# KiCad board 8851_HW-U1-VCU118_REV2-0_071417.kicad_pcb (continued)
## Footprints (pads in the part's own frame, mm; a bottom-side part is the same pattern mirrored in y, then rotated) (continued)
  round 0.001 hole 0: A3(22.146,20.177) A4(22.146,19.193) A5(22.146,18.209) A6(22.146,17.224) A7(22.146,16.24) A8(22.146,15.256) A9(22.146,14.272) A10(22.146,13.287) A11(22.146,12.303) A12(22.146,11.319) A13(22.146,10.335) A14(22.146,9.35) A15(22.146,8.366) A16(22.146,7.382) A17(22.146,6.398) A18(22.146,5.413) A19(22.146,4.429) A20(22.146,3.445) A21(22.146,2.461) A22(22.146,1.476) A23(22.146,0.492) A24(22.146,-0.492) A25(22.146,-1.476) A26(22.146,-2.461) A27(22.146,-3.445) A28(22.146,-4.429) A29(22.146,-5.413) A30(22.146,-6.398) A31(22.146,-7.382) A32(22.146,-8.366) A33(22.146,-9.35) A34(22.146,-10.335) A35(22.146,-11.319) A36(22.146,-12.303) A37(22.146,-13.287) A38(22.146,-14.272) A39(22.146,-15.256) A40(22.146,-16.24) A41(22.146,-17.224) A42(22.146,-18.209) A43(22.146,-19.193) A44(22.146,-20.177) AA1(2.461,22.146) AA2(2.461,21.161) AA3(2.461,20.177) AA4(2.461,19.193) AA5(2.461,18.209) AA6(2.461,17.224) AA7(2.461,16.24) AA8(2.461,15.256) AA9(2.461,14.272) AA10(2.461,13.287) AA11(2.461,12.303) AA12(2.461,11.319) AA13(2.461,10.335) AA14(2.461,9.35) AA15(2.461,8.366) AA16(2.461,7.382) AA17(2.461,6.398) AA18(2.461,5.413) AA19(2.461,4.429) AA20(2.461,3.445) AA21(2.461,2.461) AA22(2.461,1.476) AA23(2.461,0.492) AA24(2.461,-0.492) AA25(2.461,-1.476) AA26(2.461,-2.461) AA27(2.461,-3.445) AA28(2.461,-4.429) AA29(2.461,-5.413) AA30(2.461,-6.398) AA31(2.461,-7.382) AA32(2.461,-8.366) AA33(2.461,-9.35) AA34(2.461,-10.335) AA35(2.461,-11.319) AA36(2.461,-12.303) AA37(2.461,-13.287) AA38(2.461,-14.272) AA39(2.461,-15.256) AA40(2.461,-16.24) AA41(2.461,-17.224) AA42(2.461,-18.209) AA43(2.461,-19.193) AA44(2.461,-20.177) AA45(2.461,-21.161) AA46(2.461,-22.146) AB1(1.476,22.146) AB2(1.476,21.161) AB3(1.476,20.177) AB4(1.476,19.193) AB5(1.476,18.209) AB6(1.476,17.224) AB7(1.476,16.24) AB8(1.476,15.256) AB9(1.476,14.272) AB10(1.476,13.287) AB11(1.476,12.303) AB12(1.476,11.319) AB13(1.476,10.335) AB14(1.476,9.35) AB15(1.476,8.366) AB16(1.476,7.382) AB17(1.476,6.398) AB18(1.476,5.413) AB19(1.476,4.429) AB20(1.476,3.445) AB21(1.476,2.461) AB22(1.476,1.476) AB23(1.476,0.492) AB24(1.476,-0.492) AB25(1.476,-1.476) AB26(1.476,-2.461) AB27(1.476,-3.445) AB28(1.476,-4.429) AB29(1.476,-5.413) AB30(1.476,-6.398) AB31(1.476,-7.382) AB32(1.476,-8.366) AB33(1.476,-9.35) AB34(1.476,-10.335) AB35(1.476,-11.319) AB36(1.476,-12.303) AB37(1.476,-13.287) AB38(1.476,-14.272) AB39(1.476,-15.256) AB40(1.476,-16.24) AB41(1.476,-17.224) AB42(1.476,-18.209) AB43(1.476,-19.193) AB44(1.476,-20.177) AB45(1.476,-21.161) AB46(1.476,-22.146) AC1(0.492,22.146) AC2(0.492,21.161) AC3(0.492,20.177) AC4(0.492,19.193) AC5(0.492,18.209) AC6(0.492,17.224) AC7(0.492,16.24) AC8(0.492,15.256) AC9(0.492,14.272) AC10(0.492,13.287) AC11(0.492,12.303) AC12(0.492,11.319) AC13(0.492,10.335) AC14(0.492,9.35) AC15(0.492,8.366) AC16(0.492,7.382) AC17(0.492,6.398) AC18(0.492,5.413) AC19(0.492,4.429) AC20(0.492,3.445) AC21(0.492,2.461) AC22(0.492,1.476) AC23(0.492,0.492) AC24(0.492,-0.492) AC25(0.492,-1.476) AC26(0.492,-2.461) AC27(0.492,-3.445) AC28(0.492,-4.429) AC29(0.492,-5.413) AC30(0.492,-6.398) AC31(0.492,-7.382) AC32(0.492,-8.366) AC33(0.492,-9.35) AC34(0.492,-10.335) AC35(0.492,-11.319) AC36(0.492,-12.303) AC37(0.492,-13.287) AC38(0.492,-14.272) AC39(0.492,-15.256) AC40(0.492,-16.24) AC41(0.492,-17.224) AC42(0.492,-18.209) AC43(0.492,-19.193) AC44(0.492,-20.177) AC45(0.492,-21.161) AC46(0.492,-22.146) AD1(-0.492,22.146) AD2(-0.492,21.161) AD3(-0.492,20.177) AD4(-0.492,19.193) AD5(-0.492,18.209) AD6(-0.492,17.224) AD7(-0.492,16.24) AD8(-0.492,15.256) AD9(-0.492,14.272) AD10(-0.492,13.287) AD11(-0.492,12.303) AD12(-0.492,11.319) AD13(-0.492,10.335) AD14(-0.492,9.35) AD15(-0.492,8.366) AD16(-0.492,7.382) AD17(-0.492,6.398) AD18(-0.492,5.413) AD19(-0.492,4.429) AD20(-0.492,3.445) AD21(-0.492,2.461) AD22(-0.492,1.476) AD23(-0.492,0.492) AD24(-0.492,-0.492) AD25(-0.492,-1.476) AD26(-0.492,-2.461) AD27(-0.492,-3.445) AD28(-0.492,-4.429) AD29(-0.492,-5.413) AD30(-0.492,-6.398) AD31(-0.492,-7.382) AD32(-0.492,-8.366) AD33(-0.492,-9.35) AD34(-0.492,-10.335) AD35(-0.492,-11.319) AD36(-0.492,-12.303) AD37(-0.492,-13.287) AD38(-0.492,-14.272) AD39(-0.492,-15.256) AD40(-0.492,-16.24) AD41(-0.492,-17.224) AD42(-0.492,-18.209) AD43(-0.492,-19.193) AD44(-0.492,-20.177) AD45(-0.492,-21.161) AD46(-0.492,-22.146) AE1(-1.476,22.146) AE2(-1.476,21.161) AE3(-1.476,20.177) AE4(-1.476,19.193) AE5(-1.476,18.209) AE6(-1.476,17.224) AE7(-1.476,16.24) AE8(-1.476,15.256) AE9(-1.476,14.272) AE10(-1.476,13.287) AE11(-1.476,12.303) AE12(-1.476,11.319) AE13(-1.476,10.335) AE14(-1.476,9.35) AE15(-1.476,8.366) AE16(-1.476,7.382) AE17(-1.476,6.398) AE18(-1.476,5.413) AE19(-1.476,4.429) AE20(-1.476,3.445) AE21(-1.476,2.461) AE22(-1.476,1.476) AE23(-1.476,0.492) AE24(-1.476,-0.492) AE25(-1.476,-1.476) AE26(-1.476,-2.461) AE27(-1.476,-3.445) AE28(-1.476,-4.429) AE29(-1.476,-5.413) AE30(-1.476,-6.398) AE31(-1.476,-7.382) AE32(-1.476,-8.366) AE33(-1.476,-9.35) AE34(-1.476,-10.335) AE35(-1.476,-11.319) AE36(-1.476,-12.303) AE37(-1.476,-13.287) AE38(-1.476,-14.272) AE39(-1.476,-15.256) AE40(-1.476,-16.24) AE41(-1.476,-17.224) AE42(-1.476,-18.209) AE43(-1.476,-19.193) AE44(-1.476,-20.177) AE45(-1.476,-21.161) AE46(-1.476,-22.146) AF1(-2.461,22.146) AF2(-2.461,21.161) AF3(-2.461,20.177) AF4(-2.461,19.193) AF5(-2.461,18.209) AF6(-2.461,17.224) AF7(-2.461,16.24) AF8(-2.461,15.256) AF9(-2.461,14.272) AF10(-2.461,13.287) AF11(-2.461,12.303) AF12(-2.461,11.319) AF13(-2.461,10.335) AF14(-2.461,9.35) AF15(-2.461,8.366) AF16(-2.461,7.382) AF17(-2.461,6.398) AF18(-2.461,5.413) AF19(-2.461,4.429) AF20(-2.461,3.445) AF21(-2.461,2.461) AF22(-2.461,1.476) AF23(-2.461,0.492) AF24(-2.461,-0.492) AF25(-2.461,-1.476) AF26(-2.461,-2.461) AF27(-2.461,-3.445) AF28(-2.461,-4.429) AF29(-2.461,-5.413) AF30(-2.461,-6.398) AF31(-2.461,-7.382) AF32(-2.461,-8.366) AF33(-2.461,-9.35) AF34(-2.461,-10.335) AF35(-2.461,-11.319) AF36(-2.461,-12.303) AF37(-2.461,-13.287) AF38(-2.461,-14.272) AF39(-2.461,-15.256) AF40(-2.461,-16.24) AF41(-2.461,-17.224) AF42(-2.461,-18.209) AF43(-2.461,-19.193) AF44(-2.461,-20.177) AF45(-2.461,-21.161) AF46(-2.461,-22.146) AG1(-3.445,22.146) AG2(-3.445,21.161) AG3(-3.445,20.177) AG4(-3.445,19.193) AG5(-3.445,18.209) AG6(-3.445,17.224) AG7(-3.445,16.24) AG8(-3.445,15.256) AG9(-3.445,14.272) AG10(-3.445,13.287) AG11(-3.445,12.303) AG12(-3.445,11.319) AG13(-3.445,10.335) AG14(-3.445,9.35) AG15(-3.445,8.366) AG16(-3.445,7.382) AG17(-3.445,6.398) AG18(-3.445,5.413) AG19(-3.445,4.429) AG20(-3.445,3.445) AG21(-3.445,2.461) AG22(-3.445,1.476) AG23(-3.445,0.492) AG24(-3.445,-0.492) AG25(-3.445,-1.476) AG26(-3.445,-2.461) AG27(-3.445,-3.445) AG28(-3.445,-4.429) AG29(-3.445,-5.413) AG30(-3.445,-6.398) AG31(-3.445,-7.382) AG32(-3.445,-8.366) AG33(-3.445,-9.35) AG34(-3.445,-10.335) AG35(-3.445,-11.319) AG36(-3.445,-12.303) AG37(-3.445,-13.287) AG38(-3.445,-14.272) AG39(-3.445,-15.256) AG40(-3.445,-16.24) AG41(-3.445,-17.224) AG42(-3.445,-18.209) AG43(-3.445,-19.193) AG44(-3.445,-20.177) AG45(-3.445,-21.161) AG46(-3.445,-22.146) AH1(-4.429,22.146) AH2(-4.429,21.161) AH3(-4.429,20.177) AH4(-4.429,19.193) AH5(-4.429,18.209) AH6(-4.429,17.224) AH7(-4.429,16.24) AH8(-4.429,15.256) AH9(-4.429,14.272) AH10(-4.429,13.287) AH11(-4.429,12.303) AH12(-4.429,11.319) AH13(-4.429,10.335) AH14(-4.429,9.35) AH15(-4.429,8.366) AH16(-4.429,7.382) AH17(-4.429,6.398) AH18(-4.429,5.413) AH19(-4.429,4.429) AH20(-4.429,3.445) AH21(-4.429,2.461) AH22(-4.429,1.476) AH23(-4.429,0.492) AH24(-4.429,-0.492) AH25(-4.429,-1.476) AH26(-4.429,-2.461) AH27(-4.429,-3.445) AH28(-4.429,-4.429) AH29(-4.429,-5.413) AH30(-4.429,-6.398) AH31(-4.429,-7.382) AH32(-4.429,-8.366) AH33(-4.429,-9.35) AH34(-4.429,-10.335) AH35(-4.429,-11.319) AH36(-4.429,-12.303) AH37(-4.429,-13.287) AH38(-4.429,-14.272) AH39(-4.429,-15.256) AH40(-4.429,-16.24) AH41(-4.429,-17.224) AH42(-4.429,-18.209) AH43(-4.429,-19.193) AH44(-4.429,-20.177) AH45(-4.429,-21.161) AH46(-4.429,-22.146) AJ1(-5.413,22.146) AJ2(-5.413,21.161) AJ3(-5.413,20.177) AJ4(-5.413,19.193) AJ5(-5.413,18.209) AJ6(-5.413,17.224) AJ7(-5.413,16.24) AJ8(-5.413,15.256) AJ9(-5.413,14.272) AJ10(-5.413,13.287) AJ11(-5.413,12.303) AJ12(-5.413,11.319) AJ13(-5.413,10.335) AJ14(-5.413,9.35) AJ15(-5.413,8.366) AJ16(-5.413,7.382) AJ17(-5.413,6.398) AJ18(-5.413,5.413) AJ19(-5.413,4.429) AJ20(-5.413,3.445) AJ21(-5.413,2.461) AJ22(-5.413,1.476) AJ23(-5.413,0.492) AJ24(-5.413,-0.492) AJ25(-5.413,-1.476) AJ26(-5.413,-2.461) AJ27(-5.413,-3.445) AJ28(-5.413,-4.429) AJ29(-5.413,-5.413) AJ30(-5.413,-6.398) AJ31(-5.413,-7.382) AJ32(-5.413,-8.366) AJ33(-5.413,-9.35) AJ34(-5.413,-10.335) AJ35(-5.413,-11.319) AJ36(-5.413,-12.303) AJ37(-5.413,-13.287) AJ38(-5.413,-14.272) AJ39(-5.413,-15.256) AJ40(-5.413,-16.24) AJ41(-5.413,-17.224) AJ42(-5.413,-18.209) AJ43(-5.413,-19.193) AJ44(-5.413,-20.177) AJ45(-5.413,-21.161) AJ46(-5.413,-22.146) AK1(-6.398,22.146) AK2(-6.398,21.161) AK3(-6.398,20.177) AK4(-6.398,19.193) AK5(-6.398,18.209) AK6(-6.398,17.224) AK7(-6.398,16.24) AK8(-6.398,15.256) AK9(-6.398,14.272) AK10(-6.398,13.287) AK11(-6.398,12.303) AK12(-6.398,11.319) AK13(-6.398,10.335) AK14(-6.398,9.35) AK15(-6.398,8.366) AK16(-6.398,7.382) AK17(-6.398,6.398) AK18(-6.398,5.413) AK19(-6.398,4.429) AK20(-6.398,3.445) AK21(-6.398,2.461) AK22(-6.398,1.476) AK23(-6.398,0.492) AK24(-6.398,-0.492) AK25(-6.398,-1.476) AK26(-6.398,-2.461) AK27(-6.398,-3.445) AK28(-6.398,-4.429) AK29(-6.398,-5.413) AK30(-6.398,-6.398) AK31(-6.398,-7.382) AK32(-6.398,-8.366) AK33(-6.398,-9.35) AK34(-6.398,-10.335) AK35(-6.398,-11.319) AK36(-6.398,-12.303) AK37(-6.398,-13.287) AK38(-6.398,-14.272) AK39(-6.398,-15.256) AK40(-6.398,-16.24) AK41(-6.398,-17.224) AK42(-6.398,-18.209) AK43(-6.398,-19.193) AK44(-6.398,-20.177) AK45(-6.398,-21.161) AK46(-6.398,-22.146) AL1(-7.382,22.146) AL2(-7.382,21.161) AL3(-7.382,20.177) AL4(-7.382,19.193) AL5(-7.382,18.209) AL6(-7.382,17.224) AL7(-7.382,16.24) AL8(-7.382,15.256) AL9(-7.382,14.272) AL10(-7.382,13.287) AL11(-7.382,12.303) AL12(-7.382,11.319) AL13(-7.382,10.335) AL14(-7.382,9.35) AL15(-7.382,8.366) AL16(-7.382,7.382) AL17(-7.382,6.398) AL18(-7.382,5.413) AL19(-7.382,4.429) AL20(-7.382,3.445) AL21(-7.382,2.461) AL22(-7.382,1.476) AL23(-7.382,0.492) AL24(-7.382,-0.492) AL25(-7.382,-1.476) AL26(-7.382,-2.461) AL27(-7.382,-3.445) AL28(-7.382,-4.429) AL29(-7.382,-5.413) AL30(-7.382,-6.398) AL31(-7.382,-7.382) AL32(-7.382,-8.366) AL33(-7.382,-9.35) AL34(-7.382,-10.335) AL35(-7.382,-11.319) AL36(-7.382,-12.303) AL37(-7.382,-13.287) AL38(-7.382,-14.272) AL39(-7.382,-15.256) AL40(-7.382,-16.24) AL41(-7.382,-17.224) AL42(-7.382,-18.209) AL43(-7.382,-19.193) AL44(-7.382,-20.177) AL45(-7.382,-21.161) AL46(-7.382,-22.146) AM1(-8.366,22.146) AM2(-8.366,21.161) AM3(-8.366,20.177) AM4(-8.366,19.193) AM5(-8.366,18.209) AM6(-8.366,17.224) AM7(-8.366,16.24) AM8(-8.366,15.256) AM9(-8.366,14.272) AM10(-8.366,13.287) AM11(-8.366,12.303) AM12(-8.366,11.319) AM13(-8.366,10.335) AM14(-8.366,9.35) AM15(-8.366,8.366) AM16(-8.366,7.382) AM17(-8.366,6.398) AM18(-8.366,5.413) AM19(-8.366,4.429) AM20(-8.366,3.445) AM21(-8.366,2.461) AM22(-8.366,1.476) AM23(-8.366,0.492) AM24(-8.366,-0.492) AM25(-8.366,-1.476) AM26(-8.366,-2.461) AM27(-8.366,-3.445) AM28(-8.366,-4.429) AM29(-8.366,-5.413) AM30(-8.366,-6.398) AM31(-8.366,-7.382) AM32(-8.366,-8.366) AM33(-8.366,-9.35) AM34(-8.366,-10.335) AM35(-8.366,-11.319) AM36(-8.366,-12.303) AM37(-8.366,-13.287) AM38(-8.366,-14.272) AM39(-8.366,-15.256) AM40(-8.366,-16.24) AM41(-8.366,-17.224) AM42(-8.366,-18.209) AM43(-8.366,-19.193) AM44(-8.366,-20.177) AM45(-8.366,-21.161) AM46(-8.366,-22.146) AN1(-9.35,22.146) AN2(-9.35,21.161) AN3(-9.35,20.177) AN4(-9.35,19.193) AN5(-9.35,18.209) AN6(-9.35,17.224) AN7(-9.35,16.24) AN8(-9.35,15.256) AN9(-9.35,14.272) AN10(-9.35,13.287) AN11(-9.35,12.303) AN12(-9.35,11.319) AN13(-9.35,10.335) AN14(-9.35,9.35) AN15(-9.35,8.366) AN16(-9.35,7.382) AN17(-9.35,6.398) AN18(-9.35,5.413) AN19(-9.35,4.429) AN20(-9.35,3.445) AN21(-9.35,2.461) AN22(-9.35,1.476) AN23(-9.35,0.492) AN24(-9.35,-0.492) AN25(-9.35,-1.476) AN26(-9.35,-2.461) AN27(-9.35,-3.445) AN28(-9.35,-4.429) AN29(-9.35,-5.413) AN30(-9.35,-6.398) AN31(-9.35,-7.382) AN32(-9.35,-8.366) AN33(-9.35,-9.35) AN34(-9.35,-10.335) AN35(-9.35,-11.319) AN36(-9.35,-12.303) AN37(-9.35,-13.287) AN38(-9.35,-14.272) AN39(-9.35,-15.256) AN40(-9.35,-16.24) AN41(-9.35,-17.224) AN42(-9.35,-18.209) AN43(-9.35,-19.193) AN44(-9.35,-20.177) AN45(-9.35,-21.161) AN46(-9.35,-22.146) AP1(-10.335,22.146) AP2(-10.335,21.161) AP3(-10.335,20.177) AP4(-10.335,19.193) AP5(-10.335,18.209) AP6(-10.335,17.224) AP7(-10.335,16.24) AP8(-10.335,15.256) AP9(-10.335,14.272) AP10(-10.335,13.287) AP11(-10.335,12.303) AP12(-10.335,11.319) AP13(-10.335,10.335) AP14(-10.335,9.35) AP15(-10.335,8.366) AP16(-10.335,7.382) AP17(-10.335,6.398) AP18(-10.335,5.413) AP19(-10.335,4.429) AP20(-10.335,3.445) AP21(-10.335,2.461) AP22(-10.335,1.476) AP23(-10.335,0.492) AP24(-10.335,-0.492) AP25(-10.335,-1.476) AP26(-10.335,-2.461) AP27(-10.335,-3.445) AP28(-10.335,-4.429) AP29(-10.335,-5.413) AP30(-10.335,-6.398) AP31(-10.335,-7.382) AP32(-10.335,-8.366) AP33(-10.335,-9.35) AP34(-10.335,-10.335) AP35(-10.335,-11.319) AP36(-10.335,-12.303) AP37(-10.335,-13.287) AP38(-10.335,-14.272) AP39(-10.335,-15.256) AP40(-10.335,-16.24) AP41(-10.335,-17.224) AP42(-10.335,-18.209) AP43(-10.335,-19.193) AP44(-10.335,-20.177) AP45(-10.335,-21.161) AP46(-10.335,-22.146) AR1(-11.319,22.146) AR2(-11.319,21.161) AR3(-11.319,20.177) AR4(-11.319,19.193) AR5(-11.319,18.209) AR6(-11.319,17.224) AR7(-11.319,16.24) AR8(-11.319,15.256) AR9(-11.319,14.272) AR10(-11.319,13.287) AR11(-11.319,12.303) AR12(-11.319,11.319) AR13(-11.319,10.335) AR14(-11.319,9.35) AR15(-11.319,8.366) AR16(-11.319,7.382) AR17(-11.319,6.398) AR18(-11.319,5.413) AR19(-11.319,4.429) AR20(-11.319,3.445) AR21(-11.319,2.461) AR22(-11.319,1.476) AR23(-11.319,0.492) AR24(-11.319,-0.492) AR25(-11.319,-1.476) AR26(-11.319,-2.461) AR27(-11.319,-3.445) AR28(-11.319,-4.429) AR29(-11.319,-5.413) AR30(-11.319,-6.398) AR31(-11.319,-7.382) AR32(-11.319,-8.366) AR33(-11.319,-9.35) AR34(-11.319,-10.335) AR35(-11.319,-11.319) AR36(-11.319,-12.303) AR37(-11.319,-13.287) AR38(-11.319,-14.272) AR39(-11.319,-15.256) AR40(-11.319,-16.24) AR41(-11.319,-17.224) AR42(-11.319,-18.209) AR43(-11.319,-19.193) AR44(-11.319,-20.177) AR45(-11.319,-21.161) AR46(-11.319,-22.146) AT1(-12.303,22.146) AT2(-12.303,21.161) AT3(-12.303,20.177) AT4(-12.303,19.193) AT5(-12.303,18.209) AT6(-12.303,17.224) AT7(-12.303,16.24) AT8(-12.303,15.256) AT9(-12.303,14.272) AT10(-12.303,13.287) AT11(-12.303,12.303) AT12(-12.303,11.319) AT13(-12.303,10.335) AT14(-12.303,9.35) AT15(-12.303,8.366) AT16(-12.303,7.382) AT17(-12.303,6.398) AT18(-12.303,5.413) AT19(-12.303,4.429) AT20(-12.303,3.445) AT21(-12.303,2.461) AT22(-12.303,1.476) AT23(-12.303,0.492) AT24(-12.303,-0.492) AT25(-12.303,-1.476) AT26(-12.303,-2.461) AT27(-12.303,-3.445) AT28(-12.303,-4.429) AT29(-12.303,-5.413) AT30(-12.303,-6.398) AT31(-12.303,-7.382) AT32(-12.303,-8.366) AT33(-12.303,-9.35) AT34(-12.303,-10.335) AT35(-12.303,-11.319) AT36(-12.303,-12.303) AT37(-12.303,-13.287) AT38(-12.303,-14.272) AT39(-12.303,-15.256) AT40(-12.303,-16.24) AT41(-12.303,-17.224) AT42(-12.303,-18.209) AT43(-12.303,-19.193) AT44(-12.303,-20.177) AT45(-12.303,-21.161) AT46(-12.303,-22.146) AU1(-13.287,22.146) AU2(-13.287,21.161) AU3(-13.287,20.177) AU4(-13.287,19.193) AU5(-13.287,18.209) AU6(-13.287,17.224) AU7(-13.287,16.24) AU8(-13.287,15.256) AU9(-13.287,14.272) AU10(-13.287,13.287) AU11(-13.287,12.303) AU12(-13.287,11.319) AU13(-13.287,10.335) AU14(-13.287,9.35) AU15(-13.287,8.366) AU16(-13.287,7.382) AU17(-13.287,6.398) AU18(-13.287,5.413) AU19(-13.287,4.429) AU20(-13.287,3.445) AU21(-13.287,2.461) AU22(-13.287,1.476) AU23(-13.287,0.492) AU24(-13.287,-0.492) AU25(-13.287,-1.476) AU26(-13.287,-2.461) AU27(-13.287,-3.445) AU28(-13.287,-4.429) AU29(-13.287,-5.413) AU30(-13.287,-6.398) AU31(-13.287,-7.382) AU32(-13.287,-8.366) AU33(-13.287,-9.35) AU34(-13.287,-10.335) AU35(-13.287,-11.319) AU36(-13.287,-12.303) AU37(-13.287,-13.287) AU38(-13.287,-14.272) AU39(-13.287,-15.256) AU40(-13.287,-16.24) AU41(-13.287,-17.224) AU42(-13.287,-18.209) AU43(-13.287,-19.193) AU44(-13.287,-20.177) AU45(-13.287,-21.161) AU46(-13.287,-22.146) AV1(-14.272,22.146) AV2(-14.272,21.161) AV3(-14.272,20.177) AV4(-14.272,19.193) AV5(-14.272,18.209) AV6(-14.272,17.224) AV7(-14.272,16.24) AV8(-14.272,15.256) AV9(-14.272,14.272) AV10(-14.272,13.287) AV11(-14.272,12.303) AV12(-14.272,11.319) AV13(-14.272,10.335) AV14(-14.272,9.35) AV15(-14.272,8.366) AV16(-14.272,7.382) AV17(-14.272,6.398) AV18(-14.272,5.413) AV19(-14.272,4.429) AV20(-14.272,3.445) AV21(-14.272,2.461) AV22(-14.272,1.476) AV23(-14.272,0.492) AV24(-14.272,-0.492) AV25(-14.272,-1.476) AV26(-14.272,-2.461) AV27(-14.272,-3.445) AV28(-14.272,-4.429) AV29(-14.272,-5.413) AV30(-14.272,-6.398) AV31(-14.272,-7.382) AV32(-14.272,-8.366) AV33(-14.272,-9.35) AV34(-14.272,-10.335) AV35(-14.272,-11.319) AV36(-14.272,-12.303) AV37(-14.272,-13.287) AV38(-14.272,-14.272) AV39(-14.272,-15.256) AV40(-14.272,-16.24) AV41(-14.272,-17.224) AV42(-14.272,-18.209) AV43(-14.272,-19.193) AV44(-14.272,-20.177) AV45(-14.272,-21.161) AV46(-14.272,-22.146) AW1(-15.256,22.146) AW2(-15.256,21.161) AW3(-15.256,20.177) AW4(-15.256,19.193) AW5(-15.256,18.209) AW6(-15.256,17.224) AW7(-15.256,16.24) AW8(-15.256,15.256) AW9(-15.256,14.272) AW10(-15.256,13.287) AW11(-15.256,12.303) AW12(-15.256,11.319) AW13(-15.256,10.335) AW14(-15.256,9.35) AW15(-15.256,8.366) AW16(-15.256,7.382) AW17(-15.256,6.398) AW18(-15.256,5.413) AW19(-15.256,4.429) AW20(-15.256,3.445) AW21(-15.256,2.461) AW22(-15.256,1.476) AW23(-15.256,0.492) AW24(-15.256,-0.492) AW25(-15.256,-1.476) AW26(-15.256,-2.461) AW27(-15.256,-3.445) AW28(-15.256,-4.429) AW29(-15.256,-5.413) AW30(-15.256,-6.398) AW31(-15.256,-7.382) AW32(-15.256,-8.366) AW33(-15.256,-9.35) AW34(-15.256,-10.335) AW35(-15.256,-11.319) AW36(-15.256,-12.303) AW37(-15.256,-13.287) AW38(-15.256,-14.272) AW39(-15.256,-15.256) AW40(-15.256,-16.24) AW41(-15.256,-17.224) AW42(-15.256,-18.209) AW43(-15.256,-19.193) AW44(-15.256,-20.177) AW45(-15.256,-21.161) AW46(-15.256,-22.146) AY1(-16.24,22.146) AY2(-16.24,21.161) AY3(-16.24,20.177) AY4(-16.24,19.193) AY5(-16.24,18.209) AY6(-16.24,17.224) AY7(-16.24,16.24) AY8(-16.24,15.256) AY9(-16.24,14.272) AY10(-16.24,13.287) AY11(-16.24,12.303) AY12(-16.24,11.319) AY13(-16.24,10.335) AY14(-16.24,9.35) AY15(-16.24,8.366) AY16(-16.24,7.382) AY17(-16.24,6.398) AY18(-16.24,5.413) AY19(-16.24,4.429) AY20(-16.24,3.445) AY21(-16.24,2.461) AY22(-16.24,1.476) AY23(-16.24,0.492) AY24(-16.24,-0.492) AY25(-16.24,-1.476) AY26(-16.24,-2.461) AY27(-16.24,-3.445) AY28(-16.24,-4.429) AY29(-16.24,-5.413) AY30(-16.24,-6.398) AY31(-16.24,-7.382) AY32(-16.24,-8.366) AY33(-16.24,-9.35) AY34(-16.24,-10.335) AY35(-16.24,-11.319) AY36(-16.24,-12.303) AY37(-16.24,-13.287) AY38(-16.24,-14.272) AY39(-16.24,-15.256) AY40(-16.24,-16.24) AY41(-16.24,-17.224) AY42(-16.24,-18.209) AY43(-16.24,-19.193) AY44(-16.24,-20.177) AY45(-16.24,-21.161) AY46(-16.24,-22.146) B2(21.161,21.161) B3(21.161,20.177) B4(21.161,19.193) B5(21.161,18.209) B6(21.161,17.224) B7(21.161,16.24) B8(21.161,15.256) B9(21.161,14.272) B10(21.161,13.287) B11(21.161,12.303) B12(21.161,11.319) B13(21.161,10.335) B14(21.161,9.35) B15(21.161,8.366) B16(21.161,7.382) B17(21.161,6.398) B18(21.161,5.413) B19(21.161,4.429) B20(21.161,3.445) B21(21.161,2.461) B22(21.161,1.476) B23(21.161,0.492) B24(21.161,-0.492) B25(21.161,-1.476) B26(21.161,-2.461) B27(21.161,-3.445) B28(21.161,-4.429) B29(21.161,-5.413) B30(21.161,-6.398) B31(21.161,-7.382) B32(21.161,-8.366) B33(21.161,-9.35) B34(21.161,-10.335) B35(21.161,-11.319) B36(21.161,-12.303) B37(21.161,-13.287) B38(21.161,-14.272) B39(21.161,-15.256) B40(21.161,-16.24) B41(21.161,-17.224) B42(21.161,-18.209) B43(21.161,-19.193) B44(21.161,-20.177) B45(21.161,-21.161) BA1(-17.224,22.146) BA2(-17.224,21.161) BA3(-17.224,20.177) BA4(-17.224,19.193) BA5(-17.224,18.209) BA6(-17.224,17.224) BA7(-17.224,16.24) BA8(-17.224,15.256) BA9(-17.224,14.272) BA10(-17.224,13.287) BA11(-17.224,12.303) BA12(-17.224,11.319) BA13(-17.224,10.335) BA14(-17.224,9.35) BA15(-17.224,8.366) BA16(-17.224,7.382) BA17(-17.224,6.398) BA18(-17.224,5.413) BA19(-17.224,4.429) BA20(-17.224,3.445) BA21(-17.224,2.461) BA22(-17.224,1.476) BA23(-17.224,0.492) BA24(-17.224,-0.492) BA25(-17.224,-1.476) BA26(-17.224,-2.461) BA27(-17.224,-3.445) BA28(-17.224,-4.429) BA29(-17.224,-5.413) BA30(-17.224,-6.398) BA31(-17.224,-7.382) BA32(-17.224,-8.366) BA33(-17.224,-9.35) BA34(-17.224,-10.335) BA35(-17.224,-11.319) BA36(-17.224,-12.303) BA37(-17.224,-13.287) BA38(-17.224,-14.272) BA39(-17.224,-15.256) BA40(-17.224,-16.24) BA41(-17.224,-17.224) BA42(-17.224,-18.209) BA43(-17.224,-19.193) BA44(-17.224,-20.177) BA45(-17.224,-21.161) BA46(-17.224,-22.146) BB1(-18.209,22.146) BB2(-18.209,21.161) BB3(-18.209,20.177) BB4(-18.209,19.193) BB5(-18.209,18.209) BB6(-18.209,17.224) BB7(-18.209,16.24) BB8(-18.209,15.256) BB9(-18.209,14.272) BB10(-18.209,13.287) BB11(-18.209,12.303) BB12(-18.209,11.319) BB13(-18.209,10.335) BB14(-18.209,9.35) BB15(-18.209,8.366) BB16(-18.209,7.382) BB17(-18.209,6.398) BB18(-18.209,5.413) BB19(-18.209,4.429) BB20(-18.209,3.445) BB21(-18.209,2.461) BB22(-18.209,1.476) BB23(-18.209,0.492) BB24(-18.209,-0.492) BB25(-18.209,-1.476) BB26(-18.209,-2.461) BB27(-18.209,-3.445) BB28(-18.209,-4.429) BB29(-18.209,-5.413) BB30(-18.209,-6.398) BB31(-18.209,-7.382) BB32(-18.209,-8.366) BB33(-18.209,-9.35) BB34(-18.209,-10.335) BB35(-18.209,-11.319) BB36(-18.209,-12.303) BB37(-18.209,-13.287) BB38(-18.209,-14.272) BB39(-18.209,-15.256) BB40(-18.209,-16.24) BB41(-18.209,-17.224) BB42(-18.209,-18.209) BB43(-18.209,-19.193) BB44(-18.209,-20.177) BB45(-18.209,-21.161) BB46(-18.209,-22.146) BC1(-19.193,22.146) BC2(-19.193,21.161) BC3(-19.193,20.177) BC4(-19.193,19.193) BC5(-19.193,18.209) BC6(-19.193,17.224) BC7(-19.193,16.24) BC8(-19.193,15.256) BC9(-19.193,14.272) BC10(-19.193,13.287) BC11(-19.193,12.303) BC12(-19.193,11.319) BC13(-19.193,10.335) BC14(-19.193,9.35) BC15(-19.193,8.366) BC16(-19.193,7.382) BC17(-19.193,6.398) BC18(-19.193,5.413) BC19(-19.193,4.429) BC20(-19.193,3.445) BC21(-19.193,2.461) BC22(-19.193,1.476) BC23(-19.193,0.492) BC24(-19.193,-0.492) BC25(-19.193,-1.476) BC26(-19.193,-2.461) BC27(-19.193,-3.445) BC28(-19.193,-4.429) BC29(-19.193,-5.413) BC30(-19.193,-6.398) BC31(-19.193,-7.382) BC32(-19.193,-8.366) BC33(-19.193,-9.35) BC34(-19.193,-10.335) BC35(-19.193,-11.319) BC36(-19.193,-12.303) BC37(-19.193,-13.287) BC38(-19.193,-14.272) BC39(-19.193,-15.256) BC40(-19.193,-16.24) BC41(-19.193,-17.224) BC42(-19.193,-18.209) BC43(-19.193,-19.193) BC44(-19.193,-20.177) BC45(-19.193,-21.161) BC46(-19.193,-22.146) BD1(-20.177,22.146) BD2(-20.177,21.161) BD3(-20.177,20.177) BD4(-20.177,19.193) BD5(-20.177,18.209) BD6(-20.177,17.224) BD7(-20.177,16.24) BD8(-20.177,15.256) BD9(-20.177,14.272) BD10(-20.177,13.287) BD11(-20.177,12.303) BD12(-20.177,11.319) BD13(-20.177,10.335) BD14(-20.177,9.35) BD15(-20.177,8.366) BD16(-20.177,7.382) BD17(-20.177,6.398) BD18(-20.177,5.413) BD19(-20.177,4.429) BD20(-20.177,3.445) BD21(-20.177,2.461) BD22(-20.177,1.476) BD23(-20.177,0.492) BD24(-20.177,-0.492) BD25(-20.177,-1.476) BD26(-20.177,-2.461) BD27(-20.177,-3.445) BD28(-20.177,-4.429) BD29(-20.177,-5.413) BD30(-20.177,-6.398) BD31(-20.177,-7.382) BD32(-20.177,-8.366) BD33(-20.177,-9.35) BD34(-20.177,-10.335) BD35(-20.177,-11.319) BD36(-20.177,-12.303) BD37(-20.177,-13.287) BD38(-20.177,-14.272) BD39(-20.177,-15.256) BD40(-20.177,-16.24) BD41(-20.177,-17.224) BD42(-20.177,-18.209) BD43(-20.177,-19.193) BD44(-20.177,-20.177) BD45(-20.177,-21.161) BD46(-20.177,-22.146) BE2(-21.161,21.161) BE3(-21.161,20.177) BE4(-21.161,19.193) BE5(-21.161,18.209) BE6(-21.161,17.224) BE7(-21.161,16.24) BE8(-21.161,15.256) BE9(-21.161,14.272) BE10(-21.161,13.287) BE11(-21.161,12.303) BE12(-21.161,11.319) BE13(-21.161,10.335) BE14(-21.161,9.35) BE15(-21.161,8.366) BE16(-21.161,7.382) BE17(-21.161,6.398) BE18(-21.161,5.413) BE19(-21.161,4.429) BE20(-21.161,3.445) BE21(-21.161,2.461) BE22(-21.161,1.476) BE23(-21.161,0.492) BE24(-21.161,-0.492) BE25(-21.161,-1.476) BE26(-21.161,-2.461) BE27(-21.161,-3.445) BE28(-21.161,-4.429) BE29(-21.161,-5.413) BE30(-21.161,-6.398) BE31(-21.161,-7.382) BE32(-21.161,-8.366) BE33(-21.161,-9.35) BE34(-21.161,-10.335) BE35(-21.161,-11.319) BE36(-21.161,-12.303) BE37(-21.161,-13.287) BE38(-21.161,-14.272) BE39(-21.161,-15.256) BE40(-21.161,-16.24) BE41(-21.161,-17.224) BE42(-21.161,-18.209) BE43(-21.161,-19.193) BE44(-21.161,-20.177) BE45(-21.161,-21.161) BF3(-22.146,20.177) BF4(-22.146,19.193) BF5(-22.146,18.209) BF6(-22.146,17.224) BF7(-22.146,16.24) BF8(-22.146,15.256) BF9(-22.146,14.272) BF10(-22.146,13.287) BF11(-22.146,12.303) BF12(-22.146,11.319) BF13(-22.146,10.335) BF14(-22.146,9.35) BF15(-22.146,8.366) BF16(-22.146,7.382) BF17(-22.146,6.398) BF18(-22.146,5.413) BF19(-22.146,4.429) BF20(-22.146,3.445) BF21(-22.146,2.461) BF22(-22.146,1.476) BF23(-22.146,0.492) BF24(-22.146,-0.492) BF25(-22.146,-1.476) BF26(-22.146,-2.461) BF27(-22.146,-3.445) BF28(-22.146,-4.429) BF29(-22.146,-5.413) BF30(-22.146,-6.398) BF31(-22.146,-7.382) BF32(-22.146,-8.366) BF33(-22.146,-9.35) BF34(-22.146,-10.335) BF35(-22.146,-11.319) BF36(-22.146,-12.303) BF37(-22.146,-13.287) BF38(-22.146,-14.272) BF39(-22.146,-15.256) BF40(-22.146,-16.24) BF41(-22.146,-17.224) BF42(-22.146,-18.209) BF43(-22.146,-19.193) BF44(-22.146,-20.177) C1(20.177,22.146) C2(20.177,21.161) C3(20.177,20.177) C4(20.177,19.193) C5(20.177,18.209) C6(20.177,17.224) C7(20.177,16.24) C8(20.177,15.256) C9(20.177,14.272) C10(20.177,13.287) C11(20.177,12.303) C12(20.177,11.319) C13(20.177,10.335) C14(20.177,9.35) C15(20.177,8.366) C16(20.177,7.382) C17(20.177,6.398) C18(20.177,5.413) C19(20.177,4.429) C20(20.177,3.445) C21(20.177,2.461) C22(20.177,1.476) C23(20.177,0.492) C24(20.177,-0.492) C25(20.177,-1.476) C26(20.177,-2.461) C27(20.177,-3.445) C28(20.177,-4.429) C29(20.177,-5.413) C30(20.177,-6.398) C31(20.177,-7.382) C32(20.177,-8.366) C33(20.177,-9.35) C34(20.177,-10.335) C35(20.177,-11.319) C36(20.177,-12.303) C37(20.177,-13.287) C38(20.177,-14.272) C39(20.177,-15.256) C40(20.177,-16.24) C41(20.177,-17.224) C42(20.177,-18.209) C43(20.177,-19.193) C44(20.177,-20.177) C45(20.177,-21.161) C46(20.177,-22.146) D1(19.193,22.146) D2(19.193,21.161) D3(19.193,20.177) D4(19.193,19.193) D5(19.193,18.209) D6(19.193,17.224) D7(19.193,16.24) D8(19.193,15.256) D9(19.193,14.272) D10(19.193,13.287) D11(19.193,12.303) D12(19.193,11.319) D13(19.193,10.335) D14(19.193,9.35) D15(19.193,8.366) D16(19.193,7.382) D17(19.193,6.398) D18(19.193,5.413) D19(19.193,4.429) D20(19.193,3.445) D21(19.193,2.461) D22(19.193,1.476) D23(19.193,0.492) D24(19.193,-0.492) D25(19.193,-1.476) D26(19.193,-2.461) D27(19.193,-3.445) D28(19.193,-4.429) D29(19.193,-5.413) D30(19.193,-6.398) D31(19.193,-7.382) D32(19.193,-8.366) D33(19.193,-9.35) D34(19.193,-10.335) D35(19.193,-11.319) D36(19.193,-12.303) D37(19.193,-13.287) D38(19.193,-14.272) D39(19.193,-15.256) D40(19.193,-16.24) D41(19.193,-17.224) D42(19.193,-18.209) D43(19.193,-19.193) D44(19.193,-20.177) D45(19.193,-21.161) D46(19.193,-22.146) E1(18.209,22.146) E2(18.209,21.161) E3(18.209,20.177) E4(18.209,19.193) E5(18.209,18.209) E6(18.209,17.224) E7(18.209,16.24) E8(18.209,15.256) E9(18.209,14.272) E10(18.209,13.287) E11(18.209,12.303) E12(18.209,11.319) E13(18.209,10.335) E14(18.209,9.35) E15(18.209,8.366) E16(18.209,7.382) E17(18.209,6.398) E18(18.209,5.413) E19(18.209,4.429) E20(18.209,3.445) E21(18.209,2.461) E22(18.209,1.476) E23(18.209,0.492) E24(18.209,-0.492) E25(18.209,-1.476) E26(18.209,-2.461) E27(18.209,-3.445) E28(18.209,-4.429) E29(18.209,-5.413) E30(18.209,-6.398) E31(18.209,-7.382) E32(18.209,-8.366) E33(18.209,-9.35) E34(18.209,-10.335) E35(18.209,-11.319) E36(18.209,-12.303) E37(18.209,-13.287) E38(18.209,-14.272) E39(18.209,-15.256) E40(18.209,-16.24) E41(18.209,-17.224) E42(18.209,-18.209) E43(18.209,-19.193) E44(18.209,-20.177) E45(18.209,-21.161) E46(18.209,-22.146) F1(17.224,22.146) F2(17.224,21.161) F3(17.224,20.177) F4(17.224,19.193) F5(17.224,18.209) F6(17.224,17.224) F7(17.224,16.24) F8(17.224,15.256) F9(17.224,14.272) F10(17.224,13.287) F11(17.224,12.303) F12(17.224,11.319) F13(17.224,10.335) F14(17.224,9.35) F15(17.224,8.366) F16(17.224,7.382) F17(17.224,6.398) F18(17.224,5.413) F19(17.224,4.429) F20(17.224,3.445) F21(17.224,2.461) F22(17.224,1.476) F23(17.224,0.492) F24(17.224,-0.492) F25(17.224,-1.476) F26(17.224,-2.461) F27(17.224,-3.445) F28(17.224,-4.429) F29(17.224,-5.413) F30(17.224,-6.398) F31(17.224,-7.382) F32(17.224,-8.366) F33(17.224,-9.35) F34(17.224,-10.335) F35(17.224,-11.319) F36(17.224,-12.303) F37(17.224,-13.287) F38(17.224,-14.272) F39(17.224,-15.256) F40(17.224,-16.24) F41(17.224,-17.224) F42(17.224,-18.209) F43(17.224,-19.193) F44(17.224,-20.177) F45(17.224,-21.161) F46(17.224,-22.146) G1(16.24,22.146) G2(16.24,21.161) G3(16.24,20.177) G4(16.24,19.193) G5(16.24,18.209) G6(16.24,17.224) G7(16.24,16.24) G8(16.24,15.256) G9(16.24,14.272) G10(16.24,13.287) G11(16.24,12.303) G12(16.24,11.319) G13(16.24,10.335) G14(16.24,9.35) G15(16.24,8.366) G16(16.24,7.382) G17(16.24,6.398) G18(16.24,5.413) G19(16.24,4.429) G20(16.24,3.445) G21(16.24,2.461) G22(16.24,1.476) G23(16.24,0.492) G24(16.24,-0.492) G25(16.24,-1.476) G26(16.24,-2.461) G27(16.24,-3.445) G28(16.24,-4.429) G29(16.24,-5.413) G30(16.24,-6.398) G31(16.24,-7.382) G32(16.24,-8.366) G33(16.24,-9.35) G34(16.24,-10.335) G35(16.24,-11.319) G36(16.24,-12.303) G37(16.24,-13.287) G38(16.24,-14.272) G39(16.24,-15.256) G40(16.24,-16.24) G41(16.24,-17.224) G42(16.24,-18.209) G43(16.24,-19.193) G44(16.24,-20.177) G45(16.24,-21.161) G46(16.24,-22.146) H1(15.256,22.146) H2(15.256,21.161) H3(15.256,20.177) H4(15.256,19.193) H5(15.256,18.209) H6(15.256,17.224) H7(15.256,16.24) H8(15.256,15.256) H9(15.256,14.272) H10(15.256,13.287) H11(15.256,12.303) H12(15.256,11.319) H13(15.256,10.335) H14(15.256,9.35) H15(15.256,8.366) H16(15.256,7.382) H17(15.256,6.398) H18(15.256,5.413) H19(15.256,4.429) H20(15.256,3.445) H21(15.256,2.461) H22(15.256,1.476) H23(15.256,0.492) H24(15.256,-0.492) H25(15.256,-1.476) H26(15.256,-2.461) H27(15.256,-3.445) H28(15.256,-4.429) H29(15.256,-5.413) H30(15.256,-6.398) H31(15.256,-7.382) H32(15.256,-8.366) H33(15.256,-9.35) H34(15.256,-10.335) H35(15.256,-11.319) H36(15.256,-12.303) H37(15.256,-13.287) H38(15.256,-14.272) H39(15.256,-15.256) H40(15.256,-16.24) H41(15.256,-17.224) H42(15.256,-18.209) H43(15.256,-19.193) H44(15.256,-20.177) H45(15.256,-21.161) H46(15.256,-22.146) J1(14.272,22.146) J2(14.272,21.161) J3(14.272,20.177) J4(14.272,19.193) J5(14.272,18.209) J6(14.272,17.224) J7(14.272,16.24) J8(14.272,15.256) J9(14.272,14.272) J10(14.272,13.287) J11(14.272,12.303) J12(14.272,11.319) J13(14.272,10.335) J14(14.272,9.35) J15(14.272,8.366) J16(14.272,7.382) J17(14.272,6.398) J18(14.272,5.413) J19(14.272,4.429) J20(14.272,3.445) J21(14.272,2.461) J22(14.272,1.476) J23(14.272,0.492) J24(14.272,-0.492) J25(14.272,-1.476) J26(14.272,-2.461) J27(14.272,-3.445) J28(14.272,-4.429) J29(14.272,-5.413) J30(14.272,-6.398) J31(14.272,-7.382) J32(14.272,-8.366) J33(14.272,-9.35) J34(14.272,-10.335) J35(14.272,-11.319) J36(14.272,-12.303) J37(14.272,-13.287) J38(14.272,-14.272) J39(14.272,-15.256) J40(14.272,-16.24) J41(14.272,-17.224) J42(14.272,-18.209) J43(14.272,-19.193) J44(14.272,-20.177) J45(14.272,-21.161) J46(14.272,-22.146) K1(13.287,22.146) K2(13.287,21.161) K3(13.287,20.177) K4(13.287,19.193) K5(13.287,18.209) K6(13.287,17.224) K7(13.287,16.24) K8(13.287,15.256) K9(13.287,14.272) K10(13.287,13.287) K11(13.287,12.303) K12(13.287,11.319) K13(13.287,10.335) K14(13.287,9.35) K15(13.287,8.366) K16(13.287,7.382) K17(13.287,6.398) K18(13.287,5.413) K19(13.287,4.429) K20(13.287,3.445) K21(13.287,2.461) K22(13.287,1.476) K23(13.287,0.492) K24(13.287,-0.492) K25(13.287,-1.476) K26(13.287,-2.461) K27(13.287,-3.445) K28(13.287,-4.429) K29(13.287,-5.413) K30(13.287,-6.398) K31(13.287,-7.382) K32(13.287,-8.366) K33(13.287,-9.35) K34(13.287,-10.335) K35(13.287,-11.319) K36(13.287,-12.303) K37(13.287,-13.287) K38(13.287,-14.272) K39(13.287,-15.256) K40(13.287,-16.24) K41(13.287,-17.224) K42(13.287,-18.209) K43(13.287,-19.193) K44(13.287,-20.177) K45(13.287,-21.161) K46(13.287,-22.146) L1(12.303,22.146) L2(12.303,21.161) L3(12.303,20.177) L4(12.303,19.193) L5(12.303,18.209) L6(12.303,17.224) L7(12.303,16.24) L8(12.303,15.256) L9(12.303,14.272) L10(12.303,13.287) L11(12.303,12.303) L12(12.303,11.319) L13(12.303,10.335) L14(12.303,9.35) L15(12.303,8.366) L16(12.303,7.382) L17(12.303,6.398) L18(12.303,5.413) L19(12.303,4.429) L20(12.303,3.445) L21(12.303,2.461) L22(12.303,1.476) L23(12.303,0.492) L24(12.303,-0.492) L25(12.303,-1.476) L26(12.303,-2.461) L27(12.303,-3.445) L28(12.303,-4.429) L29(12.303,-5.413) L30(12.303,-6.398) L31(12.303,-7.382) L32(12.303,-8.366) L33(12.303,-9.35) L34(12.303,-10.335) L35(12.303,-11.319) L36(12.303,-12.303) L37(12.303,-13.287) L38(12.303,-14.272) L39(12.303,-15.256) L40(12.303,-16.24) L41(12.303,-17.224) L42(12.303,-18.209) L43(12.303,-19.193) L44(12.303,-20.177) L45(12.303,-21.161) L46(12.303,-22.146) M1(11.319,22.146) M2(11.319,21.161) M3(11.319,20.177) M4(11.319,19.193) M5(11.319,18.209) M6(11.319,17.224) M7(11.319,16.24) M8(11.319,15.256) M9(11.319,14.272) M10(11.319,13.287) M11(11.319,12.303) M12(11.319,11.319) M13(11.319,10.335) M14(11.319,9.35) M15(11.319,8.366) M16(11.319,7.382) M17(11.319,6.398) M18(11.319,5.413) M19(11.319,4.429) M20(11.319,3.445) M21(11.319,2.461) M22(11.319,1.476) M23(11.319,0.492) M24(11.319,-0.492) M25(11.319,-1.476) M26(11.319,-2.461) M27(11.319,-3.445) M28(11.319,-4.429) M29(11.319,-5.413) M30(11.319,-6.398) M31(11.319,-7.382) M32(11.319,-8.366) M33(11.319,-9.35) M34(11.319,-10.335) M35(11.319,-11.319) M36(11.319,-12.303) M37(11.319,-13.287) M38(11.319,-14.272) M39(11.319,-15.256) M40(11.319,-16.24) M41(11.319,-17.224) M42(11.319,-18.209) M43(11.319,-19.193) M44(11.319,-20.177) M45(11.319,-21.161) M46(11.319,-22.146) N1(10.335,22.146) N2(10.335,21.161) N3(10.335,20.177) N4(10.335,19.193) N5(10.335,18.209) N6(10.335,17.224) N7(10.335,16.24) N8(10.335,15.256) N9(10.335,14.272) N10(10.335,13.287) N11(10.335,12.303) N12(10.335,11.319) N13(10.335,10.335) N14(10.335,9.35) N15(10.335,8.366) N16(10.335,7.382) N17(10.335,6.398) N18(10.335,5.413) N19(10.335,4.429) N20(10.335,3.445) N21(10.335,2.461) N22(10.335,1.476) N23(10.335,0.492) N24(10.335,-0.492) N25(10.335,-1.476) N26(10.335,-2.461) N27(10.335,-3.445) N28(10.335,-4.429) N29(10.335,-5.413) N30(10.335,-6.398) N31(10.335,-7.382) N32(10.335,-8.366) N33(10.335,-9.35) N34(10.335,-10.335) N35(10.335,-11.319) N36(10.335,-12.303) N37(10.335,-13.287) N38(10.335,-14.272) N39(10.335,-15.256) N40(10.335,-16.24) N41(10.335,-17.224) N42(10.335,-18.209) N43(10.335,-19.193) N44(10.335,-20.177) N45(10.335,-21.161) N46(10.335,-22.146) P1(9.35,22.146) P2(9.35,21.161) P3(9.35,20.177) P4(9.35,19.193) P5(9.35,18.209) P6(9.35,17.224) P7(9.35,16.24) P8(9.35,15.256) P9(9.35,14.272) P10(9.35,13.287) P11(9.35,12.303) P12(9.35,11.319) P13(9.35,10.335) P14(9.35,9.35) P15(9.35,8.366) P16(9.35,7.382) P17(9.35,6.398) P18(9.35,5.413) P19(9.35,4.429) P20(9.35,3.445) P21(9.35,2.461) P22(9.35,1.476) P23(9.35,0.492) P24(9.35,-0.492) P25(9.35,-1.476) P26(9.35,-2.461) P27(9.35,-3.445) P28(9.35,-4.429) P29(9.35,-5.413) P30(9.35,-6.398) P31(9.35,-7.382) P32(9.35,-8.366) P33(9.35,-9.35) P34(9.35,-10.335) P35(9.35,-11.319) P36(9.35,-12.303) P37(9.35,-13.287) P38(9.35,-14.272) P39(9.35,-15.256) P40(9.35,-16.24) P41(9.35,-17.224) P42(9.35,-18.209) P43(9.35,-19.193) P44(9.35,-20.177) P45(9.35,-21.161) P46(9.35,-22.146) R1(8.366,22.146) R2(8.366,21.161) R3(8.366,20.177) R4(8.366,19.193) R5(8.366,18.209) R6(8.366,17.224) R7(8.366,16.24) R8(8.366,15.256) R9(8.366,14.272) R10(8.366,13.287) R11(8.366,12.303) R12(8.366,11.319) R13(8.366,10.335) R14(8.366,9.35) R15(8.366,8.366) R16(8.366,7.382) R17(8.366,6.398) R18(8.366,5.413) R19(8.366,4.429) R20(8.366,3.445) R21(8.366,2.461) R22(8.366,1.476) R23(8.366,0.492) R24(8.366,-0.492) R25(8.366,-1.476) R26(8.366,-2.461) R27(8.366,-3.445) R28(8.366,-4.429) R29(8.366,-5.413) R30(8.366,-6.398) R31(8.366,-7.382) R32(8.366,-8.366) R33(8.366,-9.35) R34(8.366,-10.335) R35(8.366,-11.319) R36(8.366,-12.303) R37(8.366,-13.287) R38(8.366,-14.272) R39(8.366,-15.256) R40(8.366,-16.24) R41(8.366,-17.224) R42(8.366,-18.209) R43(8.366,-19.193) R44(8.366,-20.177) R45(8.366,-21.161) R46(8.366,-22.146) T1(7.382,22.146) T2(7.382,21.161) T3(7.382,20.177) T4(7.382,19.193) T5(7.382,18.209) T6(7.382,17.224) T7(7.382,16.24) T8(7.382,15.256) T9(7.382,14.272) T10(7.382,13.287) T11(7.382,12.303) T12(7.382,11.319) T13(7.382,10.335) T14(7.382,9.35) T15(7.382,8.366) T16(7.382,7.382) T17(7.382,6.398) T18(7.382,5.413) T19(7.382,4.429) T20(7.382,3.445) T21(7.382,2.461) T22(7.382,1.476) T23(7.382,0.492) T24(7.382,-0.492) T25(7.382,-1.476) T26(7.382,-2.461) T27(7.382,-3.445) T28(7.382,-4.429) T29(7.382,-5.413) T30(7.382,-6.398) T31(7.382,-7.382) T32(7.382,-8.366) T33(7.382,-9.35) T34(7.382,-10.335) T35(7.382,-11.319) T36(7.382,-12.303) T37(7.382,-13.287) T38(7.382,-14.272) T39(7.382,-15.256) T40(7.382,-16.24) T41(7.382,-17.224) T42(7.382,-18.209) T43(7.382,-19.193) T44(7.382,-20.177) T45(7.382,-21.161) T46(7.382,-22.146) U1(6.398,22.146) U2(6.398,21.161) U3(6.398,20.177) U4(6.398,19.193) U5(6.398,18.209) U6(6.398,17.224) U7(6.398,16.24) U8(6.398,15.256) U9(6.398,14.272) U10(6.398,13.287) U11(6.398,12.303) U12(6.398,11.319) U13(6.398,10.335) U14(6.398,9.35) U15(6.398,8.366) U16(6.398,7.382) U17(6.398,6.398) U18(6.398,5.413) U19(6.398,4.429) U20(6.398,3.445) U21(6.398,2.461) U22(6.398,1.476) U23(6.398,0.492) U24(6.398,-0.492) U25(6.398,-1.476) U26(6.398,-2.461) U27(6.398,-3.445) U28(6.398,-4.429) U29(6.398,-5.413) U30(6.398,-6.398) U31(6.398,-7.382) U32(6.398,-8.366) U33(6.398,-9.35) U34(6.398,-10.335) U35(6.398,-11.319) U36(6.398,-12.303) U37(6.398,-13.287) U38(6.398,-14.272) U39(6.398,-15.256) U40(6.398,-16.24) U41(6.398,-17.224) U42(6.398,-18.209) U43(6.398,-19.193) U44(6.398,-20.177) U45(6.398,-21.161) U46(6.398,-22.146) V1(5.413,22.146) V2(5.413,21.161) V3(5.413,20.177) V4(5.413,19.193) V5(5.413,18.209) V6(5.413,17.224) V7(5.413,16.24) V8(5.413,15.256) V9(5.413,14.272) V10(5.413,13.287) V11(5.413,12.303) V12(5.413,11.319) V13(5.413,10.335) V14(5.413,9.35) V15(5.413,8.366) V16(5.413,7.382) V17(5.413,6.398) V18(5.413,5.413) V19(5.413,4.429) V20(5.413,3.445) V21(5.413,2.461) V22(5.413,1.476) V23(5.413,0.492) V24(5.413,-0.492) V25(5.413,-1.476) V26(5.413,-2.461) V27(5.413,-3.445) V28(5.413,-4.429) V29(5.413,-5.413) V30(5.413,-6.398) V31(5.413,-7.382) V32(5.413,-8.366) V33(5.413,-9.35) V34(5.413,-10.335) V35(5.413,-11.319) V36(5.413,-12.303) V37(5.413,-13.287) V38(5.413,-14.272) V39(5.413,-15.256) V40(5.413,-16.24) V41(5.413,-17.224) V42(5.413,-18.209) V43(5.413,-19.193) V44(5.413,-20.177) V45(5.413,-21.161) V46(5.413,-22.146) W1(4.429,22.146) W2(4.429,21.161) W3(4.429,20.177) W4(4.429,19.193) W5(4.429,18.209) W6(4.429,17.224) W7(4.429,16.24) W8(4.429,15.256) W9(4.429,14.272) W10(4.429,13.287) W11(4.429,12.303) W12(4.429,11.319) W13(4.429,10.335) W14(4.429,9.35) W15(4.429,8.366) W16(4.429,7.382) W17(4.429,6.398) W18(4.429,5.413) W19(4.429,4.429) W20(4.429,3.445) W21(4.429,2.461) W22(4.429,1.476) W23(4.429,0.492) W24(4.429,-0.492) W25(4.429,-1.476) W26(4.429,-2.461) W27(4.429,-3.445) W28(4.429,-4.429) W29(4.429,-5.413) W30(4.429,-6.398) W31(4.429,-7.382) W32(4.429,-8.366) W33(4.429,-9.35) W34(4.429,-10.335) W35(4.429,-11.319) W36(4.429,-12.303) W37(4.429,-13.287) W38(4.429,-14.272) W39(4.429,-15.256) W40(4.429,-16.24) W41(4.429,-17.224) W42(4.429,-18.209) W43(4.429,-19.193) W44(4.429,-20.177) W45(4.429,-21.161) W46(4.429,-22.146) Y1(3.445,22.146) Y2(3.445,21.161) Y3(3.445,20.177) Y4(3.445,19.193) Y5(3.445,18.209) Y6(3.445,17.224) Y7(3.445,16.24) Y8(3.445,15.256) Y9(3.445,14.272) Y10(3.445,13.287) Y11(3.445,12.303) Y12(3.445,11.319) Y13(3.445,10.335) Y14(3.445,9.35) Y15(3.445,8.366) Y16(3.445,7.382) Y17(3.445,6.398) Y18(3.445,5.413) Y19(3.445,4.429) Y20(3.445,3.445) Y21(3.445,2.461) Y22(3.445,1.476) Y23(3.445,0.492) Y24(3.445,-0.492) Y25(3.445,-1.476) Y26(3.445,-2.461) Y27(3.445,-3.445) Y28(3.445,-4.429) Y29(3.445,-5.413) Y30(3.445,-6.398) Y31(3.445,-7.382) Y32(3.445,-8.366) Y33(3.445,-9.35) Y34(3.445,-10.335) Y35(3.445,-11.319) Y36(3.445,-12.303) Y37(3.445,-13.287) Y38(3.445,-14.272) Y39(3.445,-15.256) Y40(3.445,-16.24) Y41(3.445,-17.224) Y42(3.445,-18.209) Y43(3.445,-19.193) Y44(3.445,-20.177) Y45(3.445,-21.161) Y46(3.445,-22.146)
